# KiCad board mist.kicad_pcb (continued)
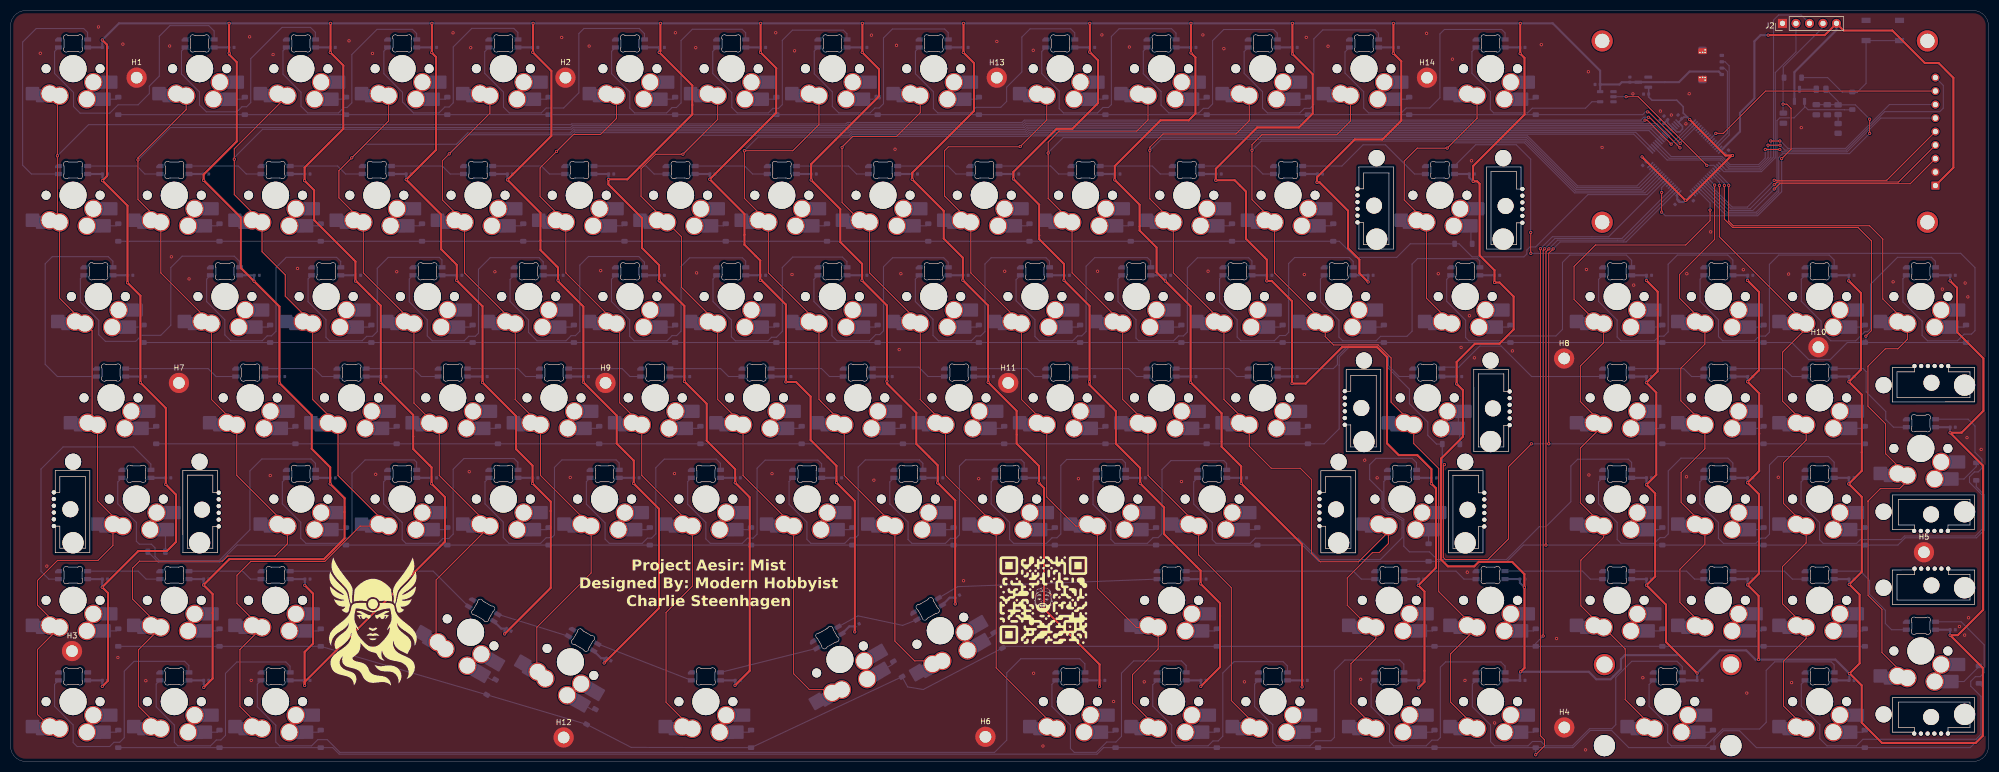
[diagram p0: board, top side]
## Routing (per net, layer and track width the routed paths; a pad name or vN(x,y) marks a point on that pad's centre or on a via; arc(x,y) is an arc through that point) (continued)
GND:
  vias: v1(5.59,133.19) v1(6.81,36.73) v1(16.53,138.15) v1(20.19,19.54) v1(21.12,134.92) v1(25.44,15.17) v1(29.92,134.57) v1(30.24,94.91) v1(33.57,90.76) v1(44.97,136.29) v1(45.27,15.24) v1(48.84,53.78) v1(49.38,132.96) v1(53.98,92.72) v1(63.67,135.54) v1(68.08,133.17) v1(68.68,54.01) v1(72.65,92.1) v1(83.24,137.04) v1(86.28,54.48) v1(86.57,134.25) v1(91.11,92.1) v1(103.68,136.17) v1(105.29,53.42) v1(108.85,134.55) v1(111.02,92.31) v1(124.9,54.13) v1(125.07,137.05) v1(128.91,134.25) v1(129.07,91.89) v1(143.25,54.13) v1(143.96,137.05) v1(147.02,91.58) v1(147.5,133.66) v1(161.96,136.61) v1(162.42,52.9) v1(166.4,115.14) v1(166.68,134.69) v1(167.18,77.45) v1(167.5,91.73) v1(179.29,33.98) v1(182.14,53.17) v1(183.52,4.33) v1(185.56,135.43) v1(187.03,92.2) v1(192.4,133.76) v1(192.47,16.58) v1(194.23,2.89) v1(200.9,53.17) v1(204.51,92.2) v1(205.32,136.65) v1(207.52,11.27) v1(210.49,134.37) v1(213.29,14.96) v1(220.29,52.64) v1(224.32,136.65) v1(225.3,92.2) v1(228.27,134.06) v1(232.14,14.96) v1(243.41,91.58) v1(243.77,136.19) v1(247.87,134.52) v1(254.01,15.45) v1(254.77,56.66) v1(257.11,53.34) v1(266.41,136.95) v1(268.61,91.73) v1(271.28,132.09) v1(272.9,77.87) v1(273.63,15.24) v1(274.06,35.59) v1(274.47,83.83) v1(274.85,112.98) v1(275.4,75.91) v1(279.21,7.23) v1(282.56,77.21) v1(288,134.82) v1(290.87,23.11) v1(293.22,76.59) v1(296.32,2.16) v1(296.49,92.52) v1(296.85,129.72) v1(296.95,53.88) v1(299.43,115.48) v1(305.23,125.56) v1(305.38,89.59) v1(307.1,15.73) v1(310.41,122.33) v1(312.46,121.58) v1(315.2,119.92) v1(315.38,91.73) v1(315.32,53.53) v1(315.82,125.58) v1(319.87,99.6) v1(326.01,92.48) v1(326.65,12.85) v1(332.58,53.45) v1(334.53,91.67) v1(335.09,14.82) v1(336.91,119.21) v1(354.19,90.21) v1(363.45,88.84) v1(366.66,25.36) v1(367.65,23.75) v1(367.74,89.98) v1(368.09,60.89) v1(368.25,87.37) v1(368.38,27.01) v1(370.76,58.69)
BOOT0: length 62.1
  Top w0.2: v1(349.78,118.13) v1(349.78,120.8)
  Bottom w0.2: v1(349.78,120.8) 347.08,123.5 R8.2 ; R7.2 343.84,124.14 R8.2 ; R8.2 343.81,123.53 C120.2 C121.2 ; U5.61 322.54,102.96 328.57,102.96 332.67,107.07 332.67,113.58 333.41,114.32 345.97,114.32 v1(349.78,118.13)
BOOT0_CHRG: length 48.7
  Bottom w0.2: U5.60 322.92,103.29 328.43,103.29 332.34,107.2 332.34,120.53 332.86,121.05 335.56,121.05 337.52,123.01 Q3.1 337.52,123.24 338.19,122.57 345.02,122.57 345.03,122.57 346.31,122.57
col0: length 455.8
  Top w0.2: v1(314.09,115.41) 308.35,121.15 v1(308.15,121.15) ; CH93.1 5.05,8.83 5.05,21.04 CH79.1 5.05,29.36 5.05,34.03 8.83,37.81 16.44,37.81 19.25,40.62 CH63.1 ; CH1.1 8.8,124.81 v1(8.8,113.91) 8.8,101.81 CH15.1 9.21,87.12 CH29.1 15.33,81 15.33,64.33 CH47.1 16.35,49.02 CH63.1
  Bottom w0.2: v1(308.15,121.15) 307.77,121.15 307.77,121.15 307.33,121.15 307.33,121.15 307.28,121.15 306.75,120.62 190.72,120.62 190.29,120.18 157.42,120.18 157.15,119.91 105.57,119.91 105.43,119.77 14.66,119.77 v1(8.8,113.91) ; U5.34 313.54,116.5 313.54,115.96 v1(314.09,115.41)
col1: length 465.9
  Top w0.2: v1(312.43,116.1) 307.9,120.62 307.5,120.62 v1(307.5,120.62) ; CH2.1 33.02,122.59 23.96,113.53 v1(23.96,113.14) 23.96,105.7 CH16.1 28.26,91.88 37.78,82.35 37.78,68.07 CH48.1 42.55,53.78 CH64.1 52.07,40.92 49.78,38.63 40.83,38.63 39.87,37.67 24.25,37.67 22.94,36.36 22.94,30.52 CH80.1 24.04,20.98 24.04,10.37 CH94.1
  Bottom w0.2: v1(23.96,113.14) 30.05,119.23 105.35,119.23 105.71,119.58 157.28,119.58 157.56,119.85 190.42,119.85 190.86,120.29 307.21,120.29 307.5,120.57 v1(307.5,120.62) ; v1(312.43,116.1) U5.33
col2: length 437.2
  Top w0.2: CH95.1 43.15,10.31 43.15,21.04 CH81.1 47.07,25.2 42.59,29.69 42.59,35.02 45.18,37.61 59.11,37.61 65.76,44.25 CH65.1 61.6,53.78 CH49.1 56.83,68.07 CH31.1 51.68,87.51 51.68,91.51 47.31,95.88 CH17.1 42.09,106.62 v1(42.09,113.27) 42.09,115.23 CH3.1
  Bottom w0.2: U5.26 309.78,119.96 190.99,119.96 190.56,119.53 157.69,119.53 157.42,119.25 105.84,119.25 105.49,118.9 47.4,118.9 42.09,113.59 v1(42.09,113.27)
col3: length 375.5
  Top w0.2: CH82.1 80.05,22.89 80.05,34.14 CH66.1 80.65,53.78 CH50.1 79.97,63.3 75.88,67.39 CH32.1 66.36,91.88 CH18.1 61.76,106 61.76,111.11 v1(64.18,113.53) 71.12,120.47 CH4.1
  Bottom w0.2: U5.25 309.4,119.63 191.13,119.63 190.7,119.2 157.83,119.2 157.56,118.92 105.98,118.92 105.26,118.21 85.99,118.21 83.86,116.08 66.73,116.08 v1(64.18,113.53)
col4: length 361.2
  Top w0.2: CH5.1 90.17,121.92 v1(82.53,114.28) 81.23,112.98 81.23,105.58 CH19.1 85.41,91.88 CH33.1 94.93,68.07 CH51.1 99.7,53.78 CH67.1 109.22,35.44 99.01,25.23 99.01,17.15 CH83.1
  Bottom w0.2: v1(82.53,114.28) 86.13,117.88 105.39,117.88 106.11,118.6 157.69,118.6 157.97,118.87 190.83,118.87 191.27,119.3 309.02,119.3 U5.24
col5: length 354.4
  Top w0.2: CH84.1 123.31,11.12 123.31,27.99 128.27,32.95 CH68.1 118.75,53.78 CH52.1 114.59,67.46 114.59,81.75 CH34.1 104.46,91.88 CH20.1 99.62,106.24 99.62,111.64 105.91,117.93 110.99,117.93 113.98,120.92 CH6.1
  Bottom w0.2: v1(102.71,114.73) 106.25,118.27 157.83,118.27 158.1,118.54 190.97,118.54 191.4,118.98 308.64,118.98 U5.23
col6: length 326.3
  Top w0.2: CH85.1 150.3,13.5 147.32,16.47 CH69.1 137.8,53.78 CH53.1 133.03,68.07 133.03,82.35 126.21,89.18 126.21,98.7 CH21.1 118.61,106.3 118.61,111.46 121.36,114.21 v1(126.49,114.21) 133.03,120.75 133.03,125.22
  Bottom w0.2: U5.22 308.27,118.65 191.54,118.65 191.1,118.21 158.24,118.21 157.8,117.78 130.06,117.78 v1(126.49,114.21)
col7: length 309.4
  Top w0.2: CH8.1 152.08,119.78 147.16,114.86 v1(138.05,114.86) 138.05,105.91 CH22.1 142.56,91.88 CH36.1 152.08,68.11 152.43,67.77 152.43,67.72 CH54.1 156.85,53.78 CH70.1 166.37,22.62 170.1,18.9 CH86.1
  Bottom w0.2: v1(138.05,114.86) 140.62,117.43 157.91,117.43 158.37,117.89 191.24,117.89 191.67,118.32 305.76,118.32 U5.18
col8: length 302
  Top w0.2: CH96.1 185.42,17.58 CH71.1 175.9,53.78 CH55.1 171.13,68.07 CH37.1 161.61,91.88 CH23.1 160.15,101.4 156.44,105.12 v1(156.44,115.49) 156.44,115.59 158.39,117.54 166.67,117.54 171.13,122 CH9.1
  Bottom w0.2: U5.17 305.39,117.99 191.81,117.99 191.37,117.56 158.51,117.56 v1(156.44,115.49)
col9: length 285.6
  Top w0.2: CH10.1 194.95,120.64 189.97,115.67 v1(189.95,115.67) 189.88,115.6 176.43,115.6 175.72,114.89 175.72,106.34 CH24.1 180.66,91.88 CH38.1 190.18,68.07 CH56.1 194.95,49.73 200.42,44.25 CH72.1 204.47,32.54 211.81,25.2 CH87.1 215.9,21.15 211.09,16.34 211.09,10.97 CH97.1
  Bottom w0.2: v1(189.95,115.67) 191.94,117.66 285.4,117.66 294.81,108.25 305.99,108.25 U5.14
col10: length 272.7
  Top w0.2: CH11.1 214,120.66 211.9,118.57 197.28,118.57 195.21,116.5 v1(195.21,114.43) 195.21,105.9 CH25.1 199.71,91.88 CH39.1 209.23,68.07 CH57.1 214,53.78 CH73.1 223.52,38.83 229.67,32.69 229.67,11.44 CH98.1
  Bottom w0.2: v1(195.21,114.43) 195.21,114.51 198.04,117.34 285.26,117.34 294.68,107.92 306.37,107.92 U5.13
col11: length 286.7
  Top w0.2: CH12.1 233.05,120.51 230.54,118.01 216.82,118.01 214.34,115.53 v1(214.34,114.93) 214.34,105.82 CH26.1 218.76,91.88 CH40.1 228.28,68.07 CH58.1 233.05,59.28 237.19,55.14 242.65,55.14 244.78,53.01 244.78,39.15 246.39,37.54 253.58,37.54 259.24,43.2 CH74.1 259.24,40.98 257.52,39.26 256.22,39.26 251.48,34.52 251.48,29.36 255.63,25.2 CH88.1 256.86,23.06 252.18,18.38 252.18,10.83 CH99.1
  Bottom w0.2: U5.12 306.75,107.59 294.54,107.59 285.13,117.01 216.42,117.01 v1(214.34,114.93)
col12: length 244.5
  Top w0.2: CH100.1 270.93,11.13 270.93,20.22 CH89.1 275.41,25.2 268.69,31.93 268.69,55.1 264,59.78 CH59.1 259.74,67.57 259.74,75.88 257.28,78.34 248.91,78.34 247.33,79.91 CH41.1 237.81,91.88 CH27.1 233.56,105.65 v1(233.56,114.93) 233.56,116 235.44,117.88 249.52,117.88 252.1,120.45 CH13.1
  Bottom w0.2: U5.11 307.13,107.26 294.41,107.26 284.99,116.68 235.31,116.68 v1(233.56,114.93)
col13: length 101.5
  Top w0.2: CH14.1 275.91,120.98 v1(270.29,115.36) 264.65,115.36 262.2,112.91 262.2,105.59 266.38,101.4 266.38,87.12 CH42.1
  Bottom w0.2: v1(270.29,115.36) 271.28,116.35 284.85,116.35 294.27,106.94 307.51,106.94 U5.10
col14: length 140.9
  Top w0.2: CH101.1 303.78,11.62 303.78,21.15 CH90.1 299.65,25.13 299.56,25.13 295.44,29.26 295.44,37.85 299.72,42.13 CH75.1 295.34,48.64 295.34,58.92 CH60.1 295.34,67.69 295.34,74.37 299.72,78.75 CH43.1 298.69,82.35 294.16,86.89 294.16,93.12 298.18,97.14 315.18,97.14 319.75,101.71 v1(319.75,103.71)
  Bottom w0.2: U5.62 319.75,105.04 v1(319.75,103.71)
col15: length 101.1
  Top w0.2: v1(320.61,108.4) 320.61,98.19 314.01,91.59 314.01,87.12 CH44.1 318.77,78.48 314.25,73.96 314.25,67.83 CH61.1 318.77,58.79 314.3,54.32 314.3,48.73 CH76.1 318.77,40.85 314.07,36.15 314.07,29.91 CH91.1
  Bottom w0.2: v1(320.61,108.4) 319.35,109.66 U5.56
col16: length 126
  Top w0.2: v1(321.5,108.33) 321.5,98.68 CH45.1 337.82,81.39 333.4,76.97 333.4,67.73 CH62.1 337.82,60.42 333.58,56.18 333.58,48.5 CH77.1 337.82,41.09 333.37,36.64 333.37,29.66 CH92.1 337.82,23.09 333.57,18.84 333.57,10.41 CH102.1
  Bottom w0.2: U5.54 321.5,108.95 v1(321.5,108.33)
col17: length 141.2
  Top w0.2: v1(323.26,108.36) 323.26,108.36 323.26,101.62 324.14,100.74 349.77,100.74 352.25,98.26 352.25,86.98 CH46.1 356.87,79.38 355.1,77.61 352.72,77.61 349.45,74.34 349.45,66.82 352.78,63.49 352.78,57.87 CH78.1 356.87,52.77 355.4,51.3 351.78,51.3 349.42,48.94 349.48,48.88 349.48,31.22 352.09,28.61 352.09,20.46 CH103.1
  Bottom w0.2: U5.52 323.26,108.6 v1(323.26,108.36)
D+: length 17.9
  Bottom w0.2: J1.3 322.57,131.6 323.34,130.83 323.34,117.81 U5.46
D-: length 16.1
  Bottom w0.2: J1.2 322.4,130.4 323.01,129.79 323.01,118.19 U5.45
DOut1: length 45.5
  Bottom w0.2: LED15.3 3.91,110.48 2.26,112.14 2.26,135.3 4.81,137.85 13.75,137.85 14.47,137.12 LED1.2
DOut2: length 155.6
  Top w0.2: v1(286.03,95.57) 286.01,95.59 v1(286.01,99.5)
  Bottom w0.2: v1(286.01,99.5) 286,99.51 286,113.27 283.28,115.99 275.65,115.99 LED28.2 ; v1(286.03,95.57) 366.9,95.57 369.59,92.88 369.59,81.02 368.94,80.37 367.55,80.37 366.29,79.11 360.66,79.11 359.64,80.14 359.64,82.81 356.03,86.42 356.03,90.78 LED46.3
DOut3: length 44.3
  Bottom w0.2: LED47.3 8.8,72.38 6.5,74.69 6.5,93.6 7.84,94.94 18.38,94.94 19.24,94.08 LED29.2
DOut4: length 21.3
  Bottom w0.2: LED78.3 354.26,62.86 352.85,64.27 352.8,64.27 352.8,65.82 349.12,69.5 349.12,73.32 348.55,73.88 LED62.2
DOut5: length 48
  Bottom w0.2: LED79.3 7.18,34.28 5.71,35.76 5.71,54.98 9.87,59.15 23.16,59.15 26.38,55.93 LED63.2
DOut6: length 21.2
  Bottom w0.2: LED103.3 353.9,24.76 352.73,25.93 352.73,28.42 349.76,31.39 349.76,34.03 348,35.78 LED92.2
LCD_BL_PWM: length 46.2
  Top w0.2: U4.8 330.2,126.09 322.25,118.14 v1(320.83,118.14)
  Bottom w0.2: v1(320.83,118.14) U5.42
LCD_CS: length 50
  Top w0.2: v1(331.82,107.66) 331.84,107.66 332.83,108.65 357.41,108.65 U4.3
  Bottom w0.2: U5.59 323.3,103.62 327.78,103.62 v1(331.82,107.66)
LCD_DC: length 51.2
  Top w0.2: U4.5 352.98,109.3 v1(331.82,109.3)
  Bottom w0.2: U5.57 318.99,109.18 323.9,104.27 326.78,104.27 v1(331.82,109.3)
LCD_MISO: length 68.8
  Top w0.2: v1(330.65,115.9) v1(332.91,115.9)
  Bottom w0.2: U5.20 312.05,113.44 321.84,113.44 323.38,111.91 329,111.91 330.66,113.56 330.66,115.89 v1(330.65,115.9) ; v1(332.91,115.9) 333.84,114.97 345.38,114.97 352.62,122.22 362.97,122.22 363.63,122.88 363.63,127.14 U4.9
LCD_MOSI: length 58.9
  Top w0.2: v1(330.13,115.11) 332.86,115.11 v1(332.87,115.1)
  Bottom w0.2: v1(330.13,115.11) 330.13,115.1 330.13,113.5 328.87,112.24 323.51,112.24 321.98,113.77 312.43,113.77 U5.21 ; v1(332.87,115.1) 333.32,114.65 345.52,114.65 351.88,121.01 U4.6
LCD_RST: length 50.6
  Top w0.2: U4.4 355.2,108.98 332.36,108.98 331.86,108.48 v1(331.82,108.48)
  Bottom w0.2: U5.58 323.68,103.94 327.29,103.94 331.82,108.47 v1(331.82,108.48)
LCD_SCK: length 62.5
  Top w0.2: v1(331.16,116.7) v1(332.87,116.7)
  Bottom w0.2: v1(332.87,116.7) 332.99,116.7 334.39,115.3 345.24,115.3 353.49,123.55 U4.7 ; v1(331.16,116.7) 331.18,116.68 331.18,113.62 329.14,111.58 323.24,111.58 321.71,113.12 311.67,113.12 U5.19
NRST: length 69.1
  Top w0.2: v1(310.64,103.32) 310.64,107.01 v1(310.65,107.02) ; v1(333.22,113.38) 334.99,115.15 334.99,122.84 334.2,123.63 v1(333.48,123.63)
  Bottom w0.2: J2.4 340.99,138.07 333.52,130.6 333.52,128.62 333.48,128.58 v1(333.48,123.63) 333.48,122 C130.2 ; v1(310.64,103.32) 311.32,102.64 328.7,102.64 333.22,107.15 v1(333.22,113.38) ; v1(310.65,107.02) 310.65,107.95 U5.7
RGB3.3: length 25.2
  Top w0.2: v1(319.14,112.12) 306.23,125.03 v1(303.95,125.03)
  Bottom w0.2: v1(303.95,125.03) U6.2 ; U5.51 320.45,112.12 v1(319.14,112.12)
RGB5v: length 35.2
  Bottom w0.2: U6.4 297.52,124.08 296.31,122.87 286.3,122.87 285.41,121.98 279.04,121.98 278.41,122.61 278.41,125.96 274.94,129.43 274.94,133.51 LED14.3
row0: length 300.9
  Top w0.2: v1(307.98,122.16) 308.21,122.16 v1(314.13,116.25)
  Bottom w0.2: 20.45,121.65 307.07,121.65 307.59,122.16 v1(307.98,122.16) ; v1(314.13,116.25) 314.13,116.39 317.22,119.48 U5.35
row1: length 300.4
  Bottom w0.2: 20.45,97.83 249.99,97.83 253.03,94.8 260.78,94.8 263.34,97.36 D28.1 272.52,97.36 274.97,94.9 284.73,94.9 285.27,95.44 285.27,96.17 285.87,96.77 286.92,96.77 296.76,106.61 307.89,106.61 U5.9
row2: length 404.1
  Top w0.2: v1(349.06,79.98) 350.11,81.03 350.11,97.91 347.6,100.42 324,100.42 322.42,102 322.42,108.32 v1(322.43,108.34)
  Bottom w0.2: 368.11,78.78 349.06,78.78 ; 349.06,78.78 345.56,78.78 342.34,75.57 338.33,75.57 335.11,78.78 25.21,78.78 ; 349.06,78.78 v1(349.06,79.98) ; v1(322.43,108.34) 322.43,108.72 U5.53
row3: length 451.8
  Top w0.2: v1(290.22,96.4) 289.4,95.58 v1(289.4,59.73) ; v1(269.77,55.82) 269.57,55.62 269.57,38.35 269.95,37.97 277.95,37.97 281.84,41.86 281.84,55.45 v1(286.13,59.74)
  Bottom w0.2: 27.59,59.73 247.14,59.73 249.96,62.55 249.96,74.5 249.97,74.51 249.97,76.07 251.92,78.03 257.06,78.03 258.94,76.15 258.94,74.24 263.18,70 263.18,67.28 266.64,63.82 266.64,61.32 268.28,59.69 D59.1 269.36,56.23 v1(269.77,55.82) ; v1(286.13,59.74) 289.4,59.74 v1(289.4,59.73) D60.1 ; 310.96,59.73 349.06,59.73 ; v1(290.22,96.4) 291.53,97.7 303.93,97.7 U5.2
row4: length 445.7
  Top w0.2: v1(288.87,40.68) 288.87,95.86 v1(289.42,96.41)
  Bottom w0.2: D63.1 27.79,37.47 39.39,37.47 42.61,40.68 243.05,40.68 246.11,37.63 281.56,37.63 284.62,40.68 349.06,40.68 ; v1(289.42,96.41) 291.04,98.03 303.56,98.03 U5.3 ; D77.1 355.09,40.68 356.46,42.06 369.88,42.06 371.28,43.46 371.28,50.22 369.83,51.67 D78.1
row5: length 442.3
  Top w0.2: v1(288.35,23.58) 288.35,96.14 v1(288.62,96.42)
  Bottom w0.2: U5.4 303.18,98.36 290.56,98.36 v1(288.62,96.42) ; D81.1 D82.1 D83.1 116.76,2.63 D84.1 D85.1 168.77,14.01 171.7,13.52 D86.1 186.92,21.63 D87.1 D90.1 D91.1 D92.1 ; v1(288.35,23.58) 286.95,22.18 D89.1 ; 20.45,21.63 58.55,21.63
row6: length 495.1
  Top w0.2: v1(286.94,1.25) 288.59,2.9 288.59,4.07 287.82,4.84 v1(287.82,96.43)
  Bottom w0.2: D100.1 286.94,2.57 v1(286.94,1.25) ; v1(287.82,96.43) 290.08,98.69 300.68,98.69 U5.8 ; 20.45,2.58 60.6,2.58 61.82,1.36 204.41,1.36 205.64,2.58 293.98,2.58 297.2,5.81 301.23,5.81 304.45,2.58 320.49,2.58 320.49,3.99 322.25,5.76 325.3,5.76 328.47,2.58 368.7,2.58 371.05,4.94 371.05,13.96 D103.1
SWCLK: length 38.9
  Bottom w0.2: J2.2 335.91,133.46 332.02,129.56 332.02,113.53 329.41,110.93 322.35,110.93 U5.50
SWD: length 44.8
  Bottom w0.2: J2.3 336.87,140.4 332.65,140.4 331.69,139.44 331.69,113.67 329.28,111.26 322.73,111.26 U5.49
Net-(D1-A): length 2.8
  Bottom w0.2: D1.2 19.85,124.55 CH1.2
Net-(D2-A): length 2.8
  Bottom w0.2: CH2.2 43.67,124.55 D2.2
Net-(D3-A): length 2.8
  Bottom w0.2: CH3.2 62.72,124.55 D3.2
Net-(D4-A): length 2.8
  Bottom w0.2: D4.2 81.77,124.55 CH4.2
Net-(D5-A): length 2.8
  Bottom w0.2: CH5.2 100.82,124.55 D5.2
Net-(D6-A): length 2.8
  Bottom w0.2: CH6.2 124.63,124.55 D6.2
Net-(D7-A): length 2.8
  Bottom w0.2: CH7.2 143.68,124.55 D7.2
Net-(D8-A): length 2.8
  Bottom w0.2: D8.2 162.73,124.55 CH8.2
Net-(D9-A): length 2.8
  Bottom w0.2: CH9.2 181.78,124.55 D9.2
Net-(D10-A): length 2.8
  Bottom w0.2: D10.2 205.59,124.55 CH10.2
Net-(D11-A): length 2.8
  Bottom w0.2: D11.2 224.64,124.55 CH11.2
Net-(D12-A): length 2.8
  Bottom w0.2: D12.2 243.69,124.55 CH12.2
Net-(D13-A): length 2.8
  Bottom w0.2: CH13.2 262.74,124.55 D13.2
Net-(D14-A): length 2.8
  Bottom w0.2: CH14.2 286.55,124.55 D14.2
Net-(D15-A): length 2.8
  Bottom w0.2: CH15.2 19.85,100.74 D15.2
Net-(D16-A): length 2.8
  Bottom w0.2: CH16.2 38.9,100.74 D16.2
Net-(D17-A): length 2.8
  Bottom w0.2: CH17.2 57.95,100.74 D17.2
Net-(D18-A): length 2.8
  Bottom w0.2: D18.2 77,100.74 CH18.2
Net-(D19-A): length 2.8
  Bottom w0.2: CH19.2 96.05,100.74 D19.2
Net-(D20-A): length 2.8
  Bottom w0.2: D20.2 115.1,100.74 CH20.2
Net-(D21-A): length 2.8
  Bottom w0.2: D21.2 134.15,100.74 CH21.2
Net-(D22-A): length 2.8
  Bottom w0.2: CH22.2 153.2,100.74 D22.2
Net-(D23-A): length 2.8
  Bottom w0.2: D23.2 172.25,100.74 CH23.2
Net-(D24-A): length 2.8
  Bottom w0.2: CH24.2 191.3,100.74 D24.2
Net-(D25-A): length 2.8
  Bottom w0.2: CH25.2 210.35,100.74 D25.2
Net-(D26-A): length 2.8
  Bottom w0.2: D26.2 229.4,100.74 CH26.2
Net-(D27-A): length 2.8
  Bottom w0.2: D27.2 248.45,100.74 CH27.2
Net-(D28-A): length 3.5
  Bottom w0.2: CH28.2 274.76,97.59 D28.2
Net-(D29-A): length 2.8
  Bottom w0.2: D29.2 24.62,81.69 22.34,81.69
Net-(D30-A): length 2.8
  Bottom w0.2: CH30.2 48.43,81.69 D30.2
Net-(D31-A): length 2.8
  Bottom w0.2: CH31.2 67.48,81.69 D31.2
Net-(D32-A): length 2.8
  Bottom w0.2: D32.2 86.53,81.69 CH32.2
Net-(D33-A): length 2.8
  Bottom w0.2: D33.2 105.58,81.69 CH33.2
Net-(D34-A): length 2.8
  Bottom w0.2: CH34.2 124.63,81.69 D34.2
Net-(D35-A): length 2.8
  Bottom w0.2: CH35.2 143.68,81.69 D35.2
Net-(D36-A): length 2.8
  Bottom w0.2: D36.2 162.73,81.69 CH36.2
Net-(D37-A): length 2.8
  Bottom w0.2: CH37.2 181.78,81.69 D37.2
Net-(D38-A): length 2.8
  Bottom w0.2: D38.2 200.83,81.69 CH38.2
Net-(D39-A): length 2.8
  Bottom w0.2: CH39.2 219.88,81.69 D39.2
Net-(D40-A): length 2.8
  Bottom w0.2: CH40.2 238.93,81.69 D40.2
Net-(D41-A): length 2.8
  Bottom w0.2: CH41.2 257.98,81.69 D41.2
Net-(D42-A): length 2.8
  Bottom w0.2: CH42.2 281.79,81.69 D42.2
Net-(D43-A): length 2.8
  Bottom w0.2: CH43.2 310.37,81.69 D43.2
Net-(D44-A): length 2.8
  Bottom w0.2: CH44.2 329.42,81.69 D44.2
Net-(D45-A): length 2.8
  Bottom w0.2: D45.2 348.47,81.69 CH45.2
Net-(D46-A): length 2.8
  Bottom w0.2: D46.2 367.52,81.69 365.24,81.69
Net-(D47-A): length 2.8
  Bottom w0.2: D47.2 27,62.64 CH47.2
Net-(D48-A): length 2.8
  Bottom w0.2: CH48.2 53.19,62.64 D48.2
Net-(D49-A): length 2.8
  Bottom w0.2: CH49.2 72.24,62.64 D49.2
Net-(D50-A): length 2.8
  Bottom w0.2: D50.2 91.29,62.64 CH50.2
Net-(D51-A): length 2.8
  Bottom w0.2: CH51.2 110.34,62.64 D51.2
Net-(D52-A): length 2.8
  Bottom w0.2: D52.2 129.39,62.64 CH52.2
Net-(D53-A): length 2.8
  Bottom w0.2: D53.2 148.44,62.64 CH53.2
Net-(D54-A): length 2.8
  Bottom w0.2: D54.2 167.49,62.64 CH54.2
Net-(D55-A): length 2.8
  Bottom w0.2: D55.2 186.54,62.64 CH55.2
Net-(D56-A): length 2.8
  Bottom w0.2: D56.2 205.59,62.64 CH56.2
Net-(D57-A): length 2.8
  Bottom w0.2: D57.2 224.64,62.64 CH57.2
Net-(D58-A): length 2.8
  Bottom w0.2: CH58.2 243.69,62.64 D58.2
Net-(D59-A): length 6.8
  Bottom w0.2: CH59.2 272.37,64.59 CH59.2 272.66,62.35 D59.2 272.66,59.65
Net-(D60-A): length 2.8
  Bottom w0.2: D60.2 310.37,62.64 CH60.2
Net-(D61-A): length 2.8
  Bottom w0.2: CH61.2 329.42,62.64 D61.2
Net-(D62-A): length 2.8
  Bottom w0.2: D62.2 348.47,62.64 CH62.2
Net-(D63-A): length 4.3
  Bottom w0.2: CH63.2 29.12,43.22 D63.2
Net-(D64-A): length 2.8
  Bottom w0.2: D64.2 62.72,43.59 CH64.2
Net-(D65-A): length 2.8
  Bottom w0.2: D65.2 81.77,43.59 CH65.2
Net-(D66-A): length 2.8
  Bottom w0.2: CH66.2 100.82,43.59 D66.2
Net-(D67-A): length 2.8
  Bottom w0.2: D67.2 119.87,43.59 117.59,43.59
Net-(D68-A): length 2.8
  Bottom w0.2: CH68.2 138.92,43.59 D68.2
Net-(D69-A): length 2.8
  Bottom w0.2: D69.2 157.97,43.59 155.69,43.59
Net-(D70-A): length 2.8
  Bottom w0.2: D70.2 177.02,43.59 CH70.2
Net-(D71-A): length 2.8
  Bottom w0.2: D71.2 196.07,43.59 CH71.2
Net-(D72-A): length 2.8
  Bottom w0.2: CH72.2 215.12,43.59 D72.2
Net-(D73-A): length 2.8
  Bottom w0.2: D73.2 234.17,43.59 CH73.2
Net-(D74-A): length 3
  Bottom w0.2: CH74.2 266.79,42.77 D74.2
Net-(D75-A): length 2.8
  Bottom w0.2: CH75.2 310.37,43.59 D75.2
Net-(D76-A): length 2.8
  Bottom w0.2: D76.2 329.42,43.59 CH76.2
Net-(D77-A): length 2.8
  Bottom w0.2: CH77.2 348.47,43.59 D77.2
Net-(D78-A): length 6.3
  Bottom w0.2: D78.2 369.83,55.43 367.52,53.11 365.24,53.11
Net-(D79-A): length 2.8
  Bottom w0.2: CH79.2 19.85,24.54 D79.2
Net-(D80-A): length 2.8
  Bottom w0.2: D80.2 38.9,24.54 CH80.2
Net-(D81-A): length 2.8
  Bottom w0.2: D81.2 57.95,24.54 CH81.2
Net-(D82-A): length 2.8
  Bottom w0.2: D82.2 90.69,15.24 CH82.2
Net-(D83-A): length 2.8
  Bottom w0.2: D83.2 109.47,9.68 CH83.2
Net-(D84-A): length 2.8
  Bottom w0.2: D84.2 138.92,5.49 CH84.2
Net-(D85-A): length 2.8
  Bottom w0.2: CH85.2 165.94,18.25 D85.2
Net-(D86-A): length 2.8
  Bottom w0.2: CH86.2 184.82,23.65 D86.2
Net-(D87-A): length 2.8
  Bottom w0.2: D87.2 226.55,24.54 CH87.2
Net-(D88-A): length 2.8
  Bottom w0.2: D88.2 267.5,24.54 CH88.2
Net-(D89-A): length 2.8
  Bottom w0.2: D89.2 286.55,24.54 CH89.2
Net-(D90-A): length 2.8
  Bottom w0.2: D90.2 310.37,24.54 CH90.2
Net-(D91-A): length 2.8
  Bottom w0.2: CH91.2 329.42,24.54 D91.2
Net-(D92-A): length 2.8
  Bottom w0.2: CH92.2 348.47,24.54 D92.2
Net-(D93-A): length 2.8
  Bottom w0.2: CH93.2 19.85,5.49 D93.2
Net-(D94-A): length 2.8
  Bottom w0.2: D94.2 38.9,5.49 CH94.2
Net-(D95-A): length 2.8
  Bottom w0.2: D95.2 57.95,5.49 CH95.2
Net-(D96-A): length 2.8
  Bottom w0.2: CH96.2 207.5,5.49 D96.2
Net-(D97-A): length 2.8
  Bottom w0.2: CH97.2 226.55,5.49 D97.2
Net-(D98-A): length 2.8
  Bottom w0.2: 243.32,5.49 245.6,5.49 D98.2
Net-(D99-A): length 2.8
  Bottom w0.2: D99.2 267.5,5.49 CH99.2
Net-(D100-A): length 2.8
  Bottom w0.2: CH100.2 286.55,5.49 D100.2
Net-(D101-A): length 2.8
  Bottom w0.2: CH101.2 319.89,5.49 D101.2
Net-(D102-A): length 2.8
  Bottom w0.2: CH102.2 348.47,5.49 D102.2
Net-(D103-A): length 6.4
  Bottom w0.2: 365.24,15.01 367.52,15.01 370.33,17.83 D103.2
Net-(D110-K): length 28.5
  Bottom w0.2: 355.4,135.58 349.1,135.58 349.1,127.53 347.44,125.87 344.62,125.87 341.87,128.62 336.82,128.62
Net-(LED1-DIN): length 53.9
  Bottom w0.2: LED1.3 8.27,133.54 8.27,129.39 11.84,125.82 11.84,123.17 13.07,121.94 18.66,121.94 20.22,123.5 23.98,123.5 26.09,125.61 26.09,127.02 27.97,128.9 27.97,136.4 29.97,138.4 37.28,138.4 38.29,137.39 LED2.2
Net-(LED2-DIN): length 48
  Bottom w0.2: LED3.2 57.34,137.14 56.42,138.06 51.06,138.06 45.18,132.18 45.18,123.92 44.4,123.14 43.52,123.14 42.57,122.19 36.82,122.19 35.53,123.48 35.53,125.93 32.15,129.31 32.15,133.61 LED2.3
Net-(LED3-DIN): length 48.3
  Bottom w0.2: LED3.3 51.24,133.65 51.24,129.27 54.64,125.87 54.64,123.23 55.89,121.98 61.69,121.98 62.71,123 63.32,123 64.2,123.88 64.2,132.96 68.94,137.7 75.61,137.7 76.39,136.92 LED4.2
Net-(LED4-DIN): length 49
  Bottom w0.2: LED4.3 70.22,133.58 70.22,129.37 73.74,125.85 73.74,124.03 75.79,121.98 80.59,121.98 81.7,123.09 82.49,123.09 83.28,123.88 83.28,134.39 86.77,137.88 94.68,137.88 95.44,137.12 LED5.2
Net-(LED5-DIN): length 54.6
  Bottom w0.2: LED5.3 89.2,133.51 89.2,129.42 92.73,125.89 92.73,123.07 93.82,121.98 99.85,121.98 100.78,122.91 104.06,122.91 106.91,125.76 106.91,136.91 107.87,137.87 118.27,137.87 119.25,136.89 LED6.2
Net-(LED6-DIN): length 50.2
  Bottom w0.2: LED6.3 113.08,133.58 113.08,129.36 116.5,125.94 116.5,122.88 117.4,121.98 123.43,121.98 124.44,122.99 125.27,122.99 126.14,123.86 126.14,135.59 128.26,137.71 137.63,137.71 138.3,137.04 LED7.2
Net-(LED7-DIN): length 50.1
  Bottom w0.2: LED8.2 157.35,136.88 156.68,137.55 147.11,137.55 145.19,135.63 145.19,123.54 144.49,122.84 143.43,122.84 142.57,121.98 136.71,121.98 135.69,123 135.69,125.8 132.11,129.38 132.11,133.56 LED7.3
Net-(LED8-DIN): length 50.5
  Bottom w0.2: LED9.2 176.4,137.1 175.73,137.77 165.91,137.77 164.23,136.09 164.23,123.71 163.42,122.9 162.62,122.9 161.7,121.98 155.83,121.98 154.6,123.21 154.6,125.95 151.2,129.35 151.2,133.6 LED8.3
Net-(LED10-DIN): length 51.1
  Bottom w0.2: LED10.3 194.01,133.54 194.01,129.38 197.29,126.1 197.29,122.79 198.1,121.98 204.5,121.98 205.52,123 206.56,123 207.11,123.55 207.11,136.36 208.56,137.81 218.44,137.81 219.26,136.98 LED11.2
Net-(LED10-DOUT): length 53.6
  Bottom w0.2: LED10.2 200.21,137.03 199.45,137.8 191.82,137.8 190.26,136.24 190.26,129.68 187.4,126.82 187.4,124.14 186.29,123.03 181.66,123.03 180.61,121.98 174.45,121.98 173.62,122.81 173.62,125.96 170.24,129.34 170.24,133.59 LED9.3
Net-(LED11-DIN): length 49.9
  Bottom w0.2: LED11.3 213.11,133.59 213.11,129.35 216.45,126.01 216.45,123.45 217.92,121.98 223.56,121.98 223.56,121.98 224.42,122.84 225.32,122.84 226.15,123.67 226.15,135.57 228.24,137.66 237.64,137.66 238.31,136.98 LED12.2
Net-(LED12-DIN): length 50.5
  Bottom w0.2: LED12.3 232.08,133.51 232.08,129.43 235.55,125.96 235.55,122.91 236.48,121.98 242.56,121.98 243.42,122.84 244.51,122.84 245.2,123.53 245.2,135.91 246.88,137.59 256.74,137.59 257.36,136.96 LED13.2
Net-(LED13-DIN): length 55.2
  Bottom w0.2: LED13.3 251.06,133.44 251.06,129.48 254.58,125.96 254.58,122.91 255.51,121.98 261.65,121.98 262.58,122.91 267,122.91 268.92,124.83 268.92,136.83 269.77,137.68 280.53,137.68 281.17,137.03 281.17,135.8
Net-(LED15-DOUT): length 14.2
  Bottom w0.2: LED15.2 23.76,111.98 25.26,110.48 LED16.3
Net-(LED16-DOUT): length 14.2
  Bottom w0.2: LED17.3 44.33,110.48 42.83,111.98 LED16.2
Net-(LED17-DOUT): length 14.2
  Bottom w0.2: LED17.2 61.52,111.98 63.02,110.48 LED18.3
Net-(LED18-DOUT): length 14.2
  Bottom w0.2: LED18.2 81.21,111.98 82.71,110.48 LED19.3
Net-(LED19-DOUT): length 14.2
  Bottom w0.2: LED19.2 99.88,111.98 101.38,110.48 LED20.3
Net-(LED20-DOUT): length 14.2
  Bottom w0.2: LED20.2 119.57,111.98 121.07,110.48 LED21.3
Net-(LED21-DOUT): length 14.2
  Bottom w0.2: LED21.2 138.11,111.98 139.61,110.48 LED22.3
Net-(LED22-DOUT): length 14.2
  Bottom w0.2: 147.82,111.98 157.65,111.98 159.15,110.48 LED23.3
Net-(LED23-DOUT): length 14.2
  Bottom w0.2: 180.47,110.48 177.86,110.48 176.36,111.98 LED23.2
Net-(LED24-DOUT): length 14.2
  Bottom w0.2: LED24.2 195.68,111.98 197.18,110.48 LED25.3
Net-(LED25-DOUT): length 14.2
  Bottom w0.2: LED26.3 216.3,110.48 214.8,111.98 LED25.2
Net-(LED26-DOUT): length 14.2
  Bottom w0.2: 237.62,110.48 235.61,110.48 234.11,111.98 LED26.2
Net-(LED27-DOUT): length 27.1
  Bottom w0.2: LED28.3 264.15,110.48 258.66,115.97 254.46,115.97 250.48,111.98 LED27.2
Net-(LED29-DIN): length 54.4
  Bottom w0.2: LED29.3 13.12,90.77 13.12,86.42 16.58,82.96 16.58,80.26 17.83,79.01 23.53,79.01 24.66,80.14 28.24,80.14 30.14,82.04 30.14,92.9 32.27,95.03 42.08,95.03 43.05,94.06 LED30.2
Net-(LED30-DIN): length 50.1
  Bottom w0.2: LED31.2 62.1,94.05 61.34,94.81 51.85,94.81 49.93,92.89 49.93,80.9 49.07,80.04 48.27,80.04 47.34,79.11 41.41,79.11 40.3,80.23 40.3,83.07 36.88,86.49 36.88,90.71 LED30.3
Net-(LED31-DIN): length 50.5
  Bottom w0.2: LED32.2 81.15,94.31 80.66,94.8 71.03,94.8 68.98,92.75 68.98,80.85 68.09,79.96 66.99,79.96 66.15,79.12 59.98,79.12 59.33,79.77 59.33,83.1 55.96,86.47 55.96,90.74 LED31.3
Net-(LED32-DIN): length 50.2
  Bottom w0.2: LED33.2 100.2,93.99 99.44,94.75 90.23,94.75 88.03,92.55 88.03,80.55 87.45,79.97 86.19,79.97 85.34,79.11 79.31,79.11 78.39,80.04 78.39,83.07 75,86.46 75,90.73 LED32.3
Net-(LED33-DIN): length 50.2
  Bottom w0.2: LED33.3 93.97,90.65 93.97,86.52 97.44,83.05 97.44,80.71 99.03,79.11 104.49,79.11 105.46,80.08 106.26,80.08 107.09,80.91 107.09,93.34 108.73,94.98 108.75,94.96 118.19,94.96 119.25,93.9 LED34.2
Net-(LED34-DIN): length 50.4
  Bottom w0.2: LED35.2 138.3,94.11 137.69,94.72 127.75,94.72 126.14,93.11 126.14,80.92 125.31,80.09 124.45,80.09 123.47,79.11 117.31,79.11 116.47,79.96 116.47,83.08 113.05,86.5 113.05,90.68 LED34.3
Net-(LED35-DIN): length 50.3
  Bottom w0.2: LED35.3 132.15,90.73 132.15,86.5 135.61,83.04 135.61,79.86 136.35,79.11 142.5,79.11 143.17,79.78 144.09,79.78 145.19,80.88 145.19,92.9 147.15,94.86 156.51,94.86 157.35,94.02 LED36.2
Net-(LED36-DIN): length 50.2
  Bottom w0.2: LED37.2 176.4,93.9 175.56,94.74 165.94,94.74 164.23,93.03 164.23,80.98 163.53,80.28 162.77,80.28 161.6,79.11 155.47,79.11 154.53,80.06 154.53,83.12 151.14,86.51 151.14,90.67 LED36.3
Net-(LED37-DIN): length 50.7
  Bottom w0.2: LED38.2 195.45,94.1 194.81,94.74 184.5,94.74 183.32,93.56 183.32,80.85 182.5,80.03 181.66,80.03 180.74,79.11 174.56,79.11 173.54,80.13 173.54,83.17 170.22,86.49 170.22,90.7 LED37.3
Net-(LED38-DIN): length 50.6
  Bottom w0.2: LED39.2 214.5,94.14 213.88,94.76 203.97,94.76 202.35,93.14 202.35,80.86 201.53,80.04 200.75,80.04 199.82,79.11 193.53,79.11 192.72,79.93 192.72,83.1 189.17,86.65 189.17,90.6 LED38.3
Net-(LED39-DIN): length 50.5
  Bottom w0.2: LED39.3 208.35,90.73 208.35,86.48 211.74,83.09 211.74,79.62 212.24,79.11 218.81,79.11 219.73,80.03 220.67,80.03 221.4,80.76 221.4,92.83 223.3,94.73 232.94,94.73 233.55,94.12 LED40.2
Net-(LED40-DIN): length 50.9
  Bottom w0.2: LED40.3 227.46,90.79 227.46,86.38 230.77,83.07 230.77,79.81 231.46,79.11 237.76,79.11 238.75,80.1 239.86,80.1 240.46,80.7 240.46,93.65 241.59,94.78 251.87,94.78 252.6,94.05 LED41.2
Net-(LED41-DIN): length 55.3
  Bottom w0.2: LED41.3 246.44,90.72 246.44,86.46 249.92,82.98 249.92,79.81 250.61,79.11 256.91,79.11 257.75,79.95 262.72,79.95 263.68,80.91 263.68,93.54 264.71,94.57 275.98,94.57 276.41,94.13 LED42.2
Net-(LED42-DIN): length 60.8
  Bottom w0.2: LED42.3 270.2,90.67 270.2,86.54 273.76,82.98 273.76,79.72 274.36,79.11 280.63,79.11 281.55,80.03 290.75,80.03 291.98,81.26 291.98,93.86 293.36,95.24 303.99,95.24 304.99,94.24 LED43.2
Net-(LED43-DIN): length 51.3
  Bottom w0.2: LED44.2 324.04,94.3 323.1,95.24 313.59,95.24 311.86,93.51 311.86,80.79 311.06,79.99 310.16,79.99 309.28,79.11 302.97,79.11 302.26,79.83 302.26,83.02 298.78,86.5 298.78,90.68 LED43.3
Net-(LED44-DIN): length 51.3
  Bottom w0.2: LED44.3 317.87,90.72 317.87,86.53 321.33,83.07 321.33,79.9 322.11,79.11 328.1,79.11 328.99,80 330.17,80 330.91,80.74 330.91,93.49 332.66,95.24 342.17,95.24 343.09,94.32 LED45.2
Net-(LED45-DIN): length 47.4
  Bottom w0.2: LED46.2 362.14,94.08 361.4,94.82 355.01,94.82 349.97,89.78 349.97,81.42 349.39,80.84 348.88,80.84 347.15,79.11 342.46,79.11 340.63,80.95 340.63,82.83 336.91,86.55 336.91,90.71 LED45.3
Net-(LED47-DOUT): length 21.4
  Bottom w0.2: LED47.2 37.16,73.88 38.66,72.38 LED48.3
Net-(LED48-DOUT): length 14.2
  Bottom w0.2: LED48.2 57.12,73.88 58.62,72.38 LED49.3
Net-(LED49-DOUT): length 14.2
  Bottom w0.2: LED50.3 77.27,72.38 75.77,73.88 LED49.2
Net-(LED50-DOUT): length 14.2
  Bottom w0.2: LED51.3 96.91,72.38 95.41,73.88 LED50.2
Net-(LED51-DOUT): length 14.2
  Bottom w0.2: LED52.3 116.54,72.38 115.04,73.88 LED51.2
Net-(LED52-DOUT): length 14.2
  Bottom w0.2: LED52.2 133.57,73.88 135.07,72.38 LED53.3
Net-(LED53-DOUT): length 14.2
  Bottom w0.2: LED54.3 154.07,72.38 152.57,73.89 143.06,73.89 LED53.2
Net-(LED54-DOUT): length 14.5
  Bottom w0.2: LED55.3 172.62,72.38 170.84,74.16 162.39,74.16 LED54.2
Net-(LED55-DOUT): length 14.2
  Bottom w0.2: LED56.3 192.68,72.38 191.18,73.89 181.16,73.89 LED55.2
Net-(LED56-DOUT): length 14.2
  Bottom w0.2: LED56.2 210.33,73.88 211.83,72.38 LED57.3
Net-(LED57-DOUT): length 14.2
  Bottom w0.2: LED58.3 230.68,72.38 229.18,73.88 LED57.2
Net-(LED58-DOUT): length 31.9
  Bottom w0.2: LED58.2 248.88,73.88 249.64,74.65 249.64,76.21 251.79,78.36 257.2,78.36 259.27,76.29 259.27,74.38 261.26,72.38 LED59.3
Net-(LED59-DOUT): length 34.4
  Bottom w0.2: LED60.3 286.18,72.38 280.43,78.14 276.43,78.14 272.45,74.16 269.55,74.16 LED59.2
Net-(LED60-DOUT): length 14.2
  Bottom w0.2: LED60.2 314.78,73.88 316.28,72.38 LED61.3
Net-(LED61-DOUT): length 14.2
  Bottom w0.2: LED62.3 335.16,72.38 333.66,73.88 LED61.2
Net-(LED63-DIN): length 65.8
  Bottom w0.2: LED64.2 57.34,56.08 56.54,56.88 47.26,56.88 45.03,54.65 45.03,43.57 39.26,37.8 27.93,37.8 27.17,38.55 27.17,40.17 26.49,40.85 24.22,40.85 23.66,41.41 23.66,44.95 20.16,48.45 20.16,52.56 LED63.3
Net-(LED64-DIN): length 50.2
  Bottom w0.2: LED64.3 51.12,52.57 51.12,48.45 54.59,44.98 54.59,41.99 55.56,41.01 61.69,41.01 62.67,41.99 63.5,41.99 64.23,42.72 64.23,54.24 66.69,56.7 75.96,56.7 76.39,56.27 LED65.2
Net-(LED65-DIN): length 50.9
  Bottom w0.2: LED65.3 70.18,52.58 70.18,48.44 73.67,44.95 73.67,41.72 74.37,41.01 80.41,41.01 81.32,41.92 82.44,41.92 83.27,42.75 83.27,54.95 85.29,56.97 94.73,56.97 95.44,56.26 LED66.2
Net-(LED66-DIN): length 50.7
  Bottom w0.2: LED67.2 114.49,56.14 113.92,56.71 103.73,56.71 102.32,55.3 102.32,42.6 101.79,42.07 100.77,42.07 99.71,41.01 93.76,41.01 92.69,42.09 92.69,45.01 89.25,48.45 89.25,52.6 LED66.3
Net-(LED67-DIN): length 50.7
  Bottom w0.2: LED68.2 133.54,56.08 132.76,56.86 123,56.86 121.39,55.25 121.39,42.79 120.59,41.99 119.81,41.99 118.83,41.01 112.64,41.01 111.84,41.82 111.84,44.87 108.33,48.38 108.33,52.63 LED67.3
Net-(LED68-DIN): length 50.5
  Bottom w0.2: LED69.2 152.59,55.97 151.89,56.67 141.97,56.67 140.44,55.14 140.44,42.73 139.69,41.98 138.63,41.98 137.66,41.01 131.64,41.01 130.81,41.85 130.81,44.94 127.39,48.36 127.39,52.64 LED68.3
Net-(LED69-DIN): length 50.9
  Bottom w0.2: LED70.2 171.64,56.06 171,56.7 160.8,56.7 159.47,55.37 159.47,42.57 158.94,42.04 157.96,42.04 156.93,41.01 150.57,41.01 149.82,41.77 149.82,45.01 146.46,48.37 146.46,52.66 LED69.3
Net-(LED70-DIN): length 51.2
  Bottom w0.2: LED70.3 165.42,52.57 165.42,48.37 165.5,48.37 168.85,45.02 168.85,41.73 169.56,41.01 175.88,41.01 176.83,41.96 177.87,41.96 178.52,42.61 178.52,55.57 179.69,56.74 179.7,56.73 190.14,56.73 190.69,56.18 LED71.2
Net-(LED71-DIN): length 51.1
  Bottom w0.2: LED71.3 184.49,52.59 184.49,48.43 187.96,44.96 187.96,41.77 188.71,41.01 194.89,41.01 195.94,42.06 196.87,42.06 197.59,42.78 197.59,55.67 198.71,56.79 209.12,56.79 209.74,56.17 LED72.2
Net-(LED72-DIN): length 50.3
  Bottom w0.2: LED73.2 228.79,56.05 228.26,56.58 218.32,56.58 216.63,54.89 216.63,42.82 215.89,42.08 214.94,42.08 213.87,41.01 207.75,41.01 207.01,41.76 207.01,44.97 203.65,48.33 203.65,52.7 LED72.3
Net-(LED73-DIN): length 81.2
  Bottom w0.2: LED73.3 222.6,52.6 222.6,48.41 226.08,44.93 226.08,41.73 226.79,41.01 233.22,41.01 234.2,41.99 242.22,41.99 246.25,37.96 257.7,37.96 261.8,42.06 261.8,45.33 260.1,46.45 259.17,46.45 258.04,47.58 258.04,50.69 255.7,53.03 255.7,55.81 256.9,57.01 263.68,57.01 264.5,56.18 LED74.2
Net-(LED74-DIN): length 72.8
  Bottom w0.2: LED75.2 304.99,56.23 304.38,56.84 294.84,56.84 293.56,55.56 293.56,48.85 288.83,44.12 287.59,44.12 281.43,37.96 268.41,37.96 266.96,39.41 263.19,39.41 262.13,40.47 262.13,45.51 260.23,46.78 259.3,46.78 258.37,47.71 258.37,52.65 LED74.3
Net-(LED75-DIN): length 50.7
  Bottom w0.2: LED75.3 298.76,52.56 298.76,48.46 302.27,44.95 302.27,41.74 302.99,41.01 309.25,41.01 310.34,42.1 311.2,42.1 311.88,42.78 311.88,54.64 314.28,57.04 323.12,57.04 324.04,56.12 LED76.2
Net-(LED76-DIN): length 51.6
  Bottom w0.2: LED76.3 317.83,52.58 317.83,48.44 321.32,44.95 321.32,41.96 322.26,41.01 328.36,41.01 329.35,42 330.18,42 330.93,42.75 330.93,55.78 332.49,57.34 342.02,57.34 343.09,56.27 LED77.2
Net-(LED77-DIN): length 75.7
  Bottom w0.2: LED77.3 336.87,52.57 336.87,48.42 340.36,44.93 340.36,41.69 341.03,41.01 347.32,41.01 348.03,41.71 355.65,41.71 356.33,42.4 369.67,42.4 370.95,43.68 370.95,50.09 368.56,52.48 368.56,53.52 369.48,54.44 370.19,54.44 370.89,55.14 370.89,56.84 369.6,58.13 369.6,63.07 368.31,64.36 LED78.2
Net-(LED79-DOUT): length 14.2
  Bottom w0.2: LED79.2 23.99,35.78 25.49,34.28 LED80.3
Net-(LED80-DOUT): length 14.2
  Bottom w0.2: LED81.3 45.13,34.28 43.63,35.78 LED80.2
Net-(LED81-DOUT): length 36.4
  Bottom w0.2: LED81.2 79.49,35.78 LED82.3
Net-(LED82-DOUT): length 13.9
  Bottom w0.2: LED82.2 LED83.3
Net-(LED83-DOUT): length 18.9
  Bottom w0.2: LED83.2 LED84.3
Net-(LED84-DOUT): length 18.7
  Bottom w0.2: LED84.2 LED85.3
Net-(LED85-DOUT): length 15.8
  Bottom w0.2: LED86.3 167.83,25.58 159.43,27.37 LED85.2
Net-(LED86-DOUT): length 41.8
  Bottom w0.2: LED87.3 178.19,32.87 LED86.2
Net-(LED87-DOUT): length 36.1
  Bottom w0.2: LED88.3 254.12,34.28 252.62,35.78 LED87.2
Net-(LED88-DOUT): length 14.2
  Bottom w0.2: LED89.3 273.44,34.28 271.94,35.78 LED88.2
Net-(LED89-DOUT): length 19
  Bottom w0.2: LED90.3 297.23,34.28 295.73,35.78 281.17,35.78
Net-(LED90-DOUT): length 14.2
  Bottom w0.2: LED91.3 316.82,34.28 315.32,35.78 LED90.2
Net-(LED91-DOUT): length 14.2
  Bottom w0.2: LED91.2 333.73,35.78 335.23,34.28 LED92.3
Net-(LED93-DIN): length 51.1
  Bottom w0.2: LED94.2 33.52,18.03 32.74,18.82 23.23,18.82 21.38,16.97 21.38,4.45 20.52,3.59 19.44,3.59 18.64,2.79 12.52,2.79 11.76,3.55 11.76,6.86 8.27,10.35 8.27,14.48 LED93.3
Net-(LED94-DIN): length 50.3
  Bottom w0.2: LED95.2 52.57,17.9 51.78,18.7 42.57,18.7 40.42,16.55 40.42,4.88 39.56,4.02 38.7,4.02 37.59,2.91 31.47,2.91 30.8,3.59 30.8,6.84 27.39,10.25 27.39,14.55 LED94.3
Net-(LED95-DIN): length 184.1
  Bottom w0.2: LED96.2 202.12,18.35 201.16,19.31 190.07,19.31 187.42,16.66 187.42,3.99 185.12,1.69 61.96,1.69 59.57,4.08 57.78,4.08 56.61,2.91 50.61,2.91 49.89,3.64 49.89,6.79 46.41,10.27 46.41,14.52 LED95.3
Net-(LED96-DIN): length 52.4
  Bottom w0.2: LED96.3 195.92,14.49 195.92,10.32 199.4,6.84 199.4,2.42 200.13,1.69 204.27,1.69 206.22,3.64 207.96,3.64 209.01,4.69 209.01,16.6 211.3,18.89 220.3,18.89 221.17,18.02 LED97.2
Net-(LED97-DIN): length 50.5
  Bottom w0.2: LED97.3 214.89,14.41 214.89,10.39 218.46,6.82 218.46,3.68 219.22,2.91 225.29,2.91 226.23,3.85 227.2,3.85 228.07,4.72 228.07,16.63 230.2,18.76 239.42,18.76 240.22,17.96 LED98.2
Net-(LED98-DIN): length 54.2
  Bottom w0.2: LED99.2 262.12,18.29 261.35,19.07 251.03,19.07 249.07,17.11 249.07,4.52 248.44,3.89 245.46,3.89 244.48,2.91 238.12,2.91 237.47,3.57 237.47,6.89 234.06,10.3 234.06,14.53 LED98.3
Net-(LED100-DIN): length 63.7
  Bottom w0.2: LED100.3 275.02,14.53 275.02,10.29 278.45,6.86 278.45,3.71 279.24,2.91 285.49,2.91 286.33,3.75 287.93,3.75 288.76,2.91 293.84,2.91 297.06,6.14 301.25,6.14 302.01,6.9 302.01,15.82 305.02,18.83 313.53,18.83 314.51,17.84 LED101.2
Net-(LED100-DOUT): length 51.1
  Bottom w0.2: 281.17,16.73 281.18,16.74 281.18,17.92 280.39,18.71 269.99,18.71 269,17.72 269,4.49 268.51,4 267.41,4 266.32,2.91 260.22,2.91 259.44,3.7 259.44,6.82 255.98,10.28 255.98,14.54 LED99.3
Net-(LED101-DIN): length 59
  Bottom w0.2: LED102.2 343.09,18.18 342.55,18.72 331.91,18.72 330.31,17.12 330.31,7.34 329.06,6.09 322.11,6.09 318.94,2.91 312.46,2.91 311.78,3.6 311.78,6.86 308.27,10.37 308.27,14.44 LED101.3
Net-(LED102-DIN): length 74.7
  Bottom w0.2: LED102.3 336.91,14.51 336.91,10.38 340.4,6.89 340.4,4.27 341.75,2.91 347.27,2.91 348.51,4.16 369.8,4.16 370.72,5.07 370.72,12.23 368.8,14.15 368.8,15.07 369.67,15.94 370.58,15.94 371.32,16.68 371.32,21.93 366.99,26.26 LED103.2
Net-(Q3-C): length 3.2
  Bottom w0.2: R7.1 Q3.3
Net-(R8-Pad1): length 1.7
  Bottom w0.2: R8.1 R9.1

## Copper pours and planes (outline as drawn; the poured copper is in the pictures)
GND on Top: -8.98,147.84 377.3,147.46 378.78,-6.62 -3.96,-14.51
GND on Bottom: -6.83,147.84 377.3,147.21 377.71,-6.26 -3.25,-12.36

## Text on the board
B.Silkscreen: GND | SWCLK | SWD | NRST | +3v3
F.Silkscreen: Project Aesir: Mist / Designed By: Modern Hobbyist / Charlie Steenhagen
